# Altium PCB NEW_PCB_v2 copy_2023-02-25.pcbdoc
Units mm, origin at the board's own origin, x right, y up, seen from the top; angles counter-clockwise.
Board outline 116.48 x 114.74 mm, 2 copper layers (Top Layer, Bottom Layer); 51 components, 39 nets, 170 pads, 3 vias.
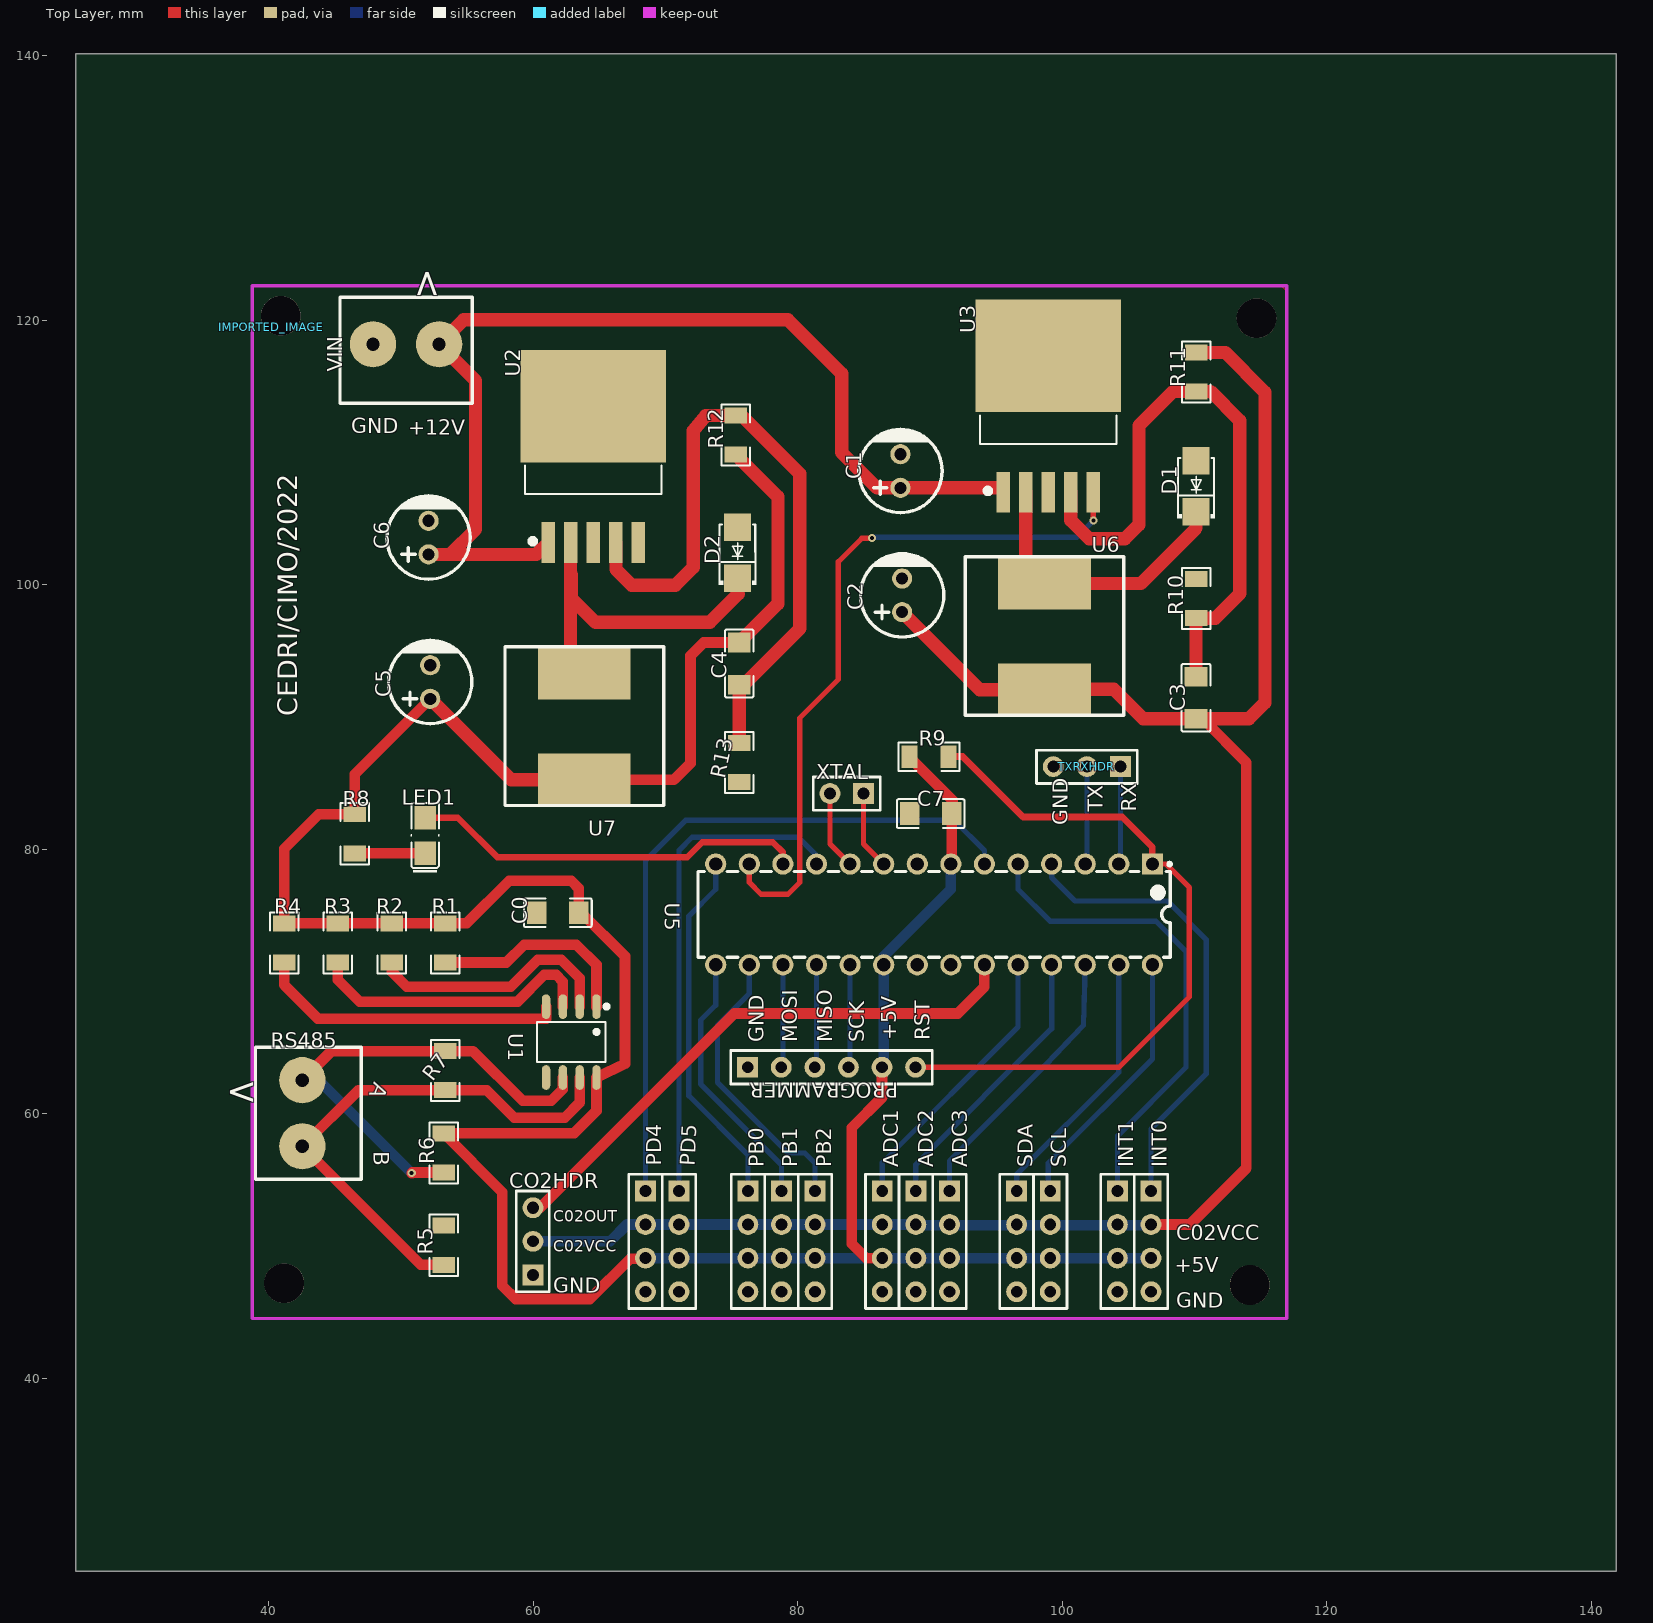
[diagram p0: Top Layer view]
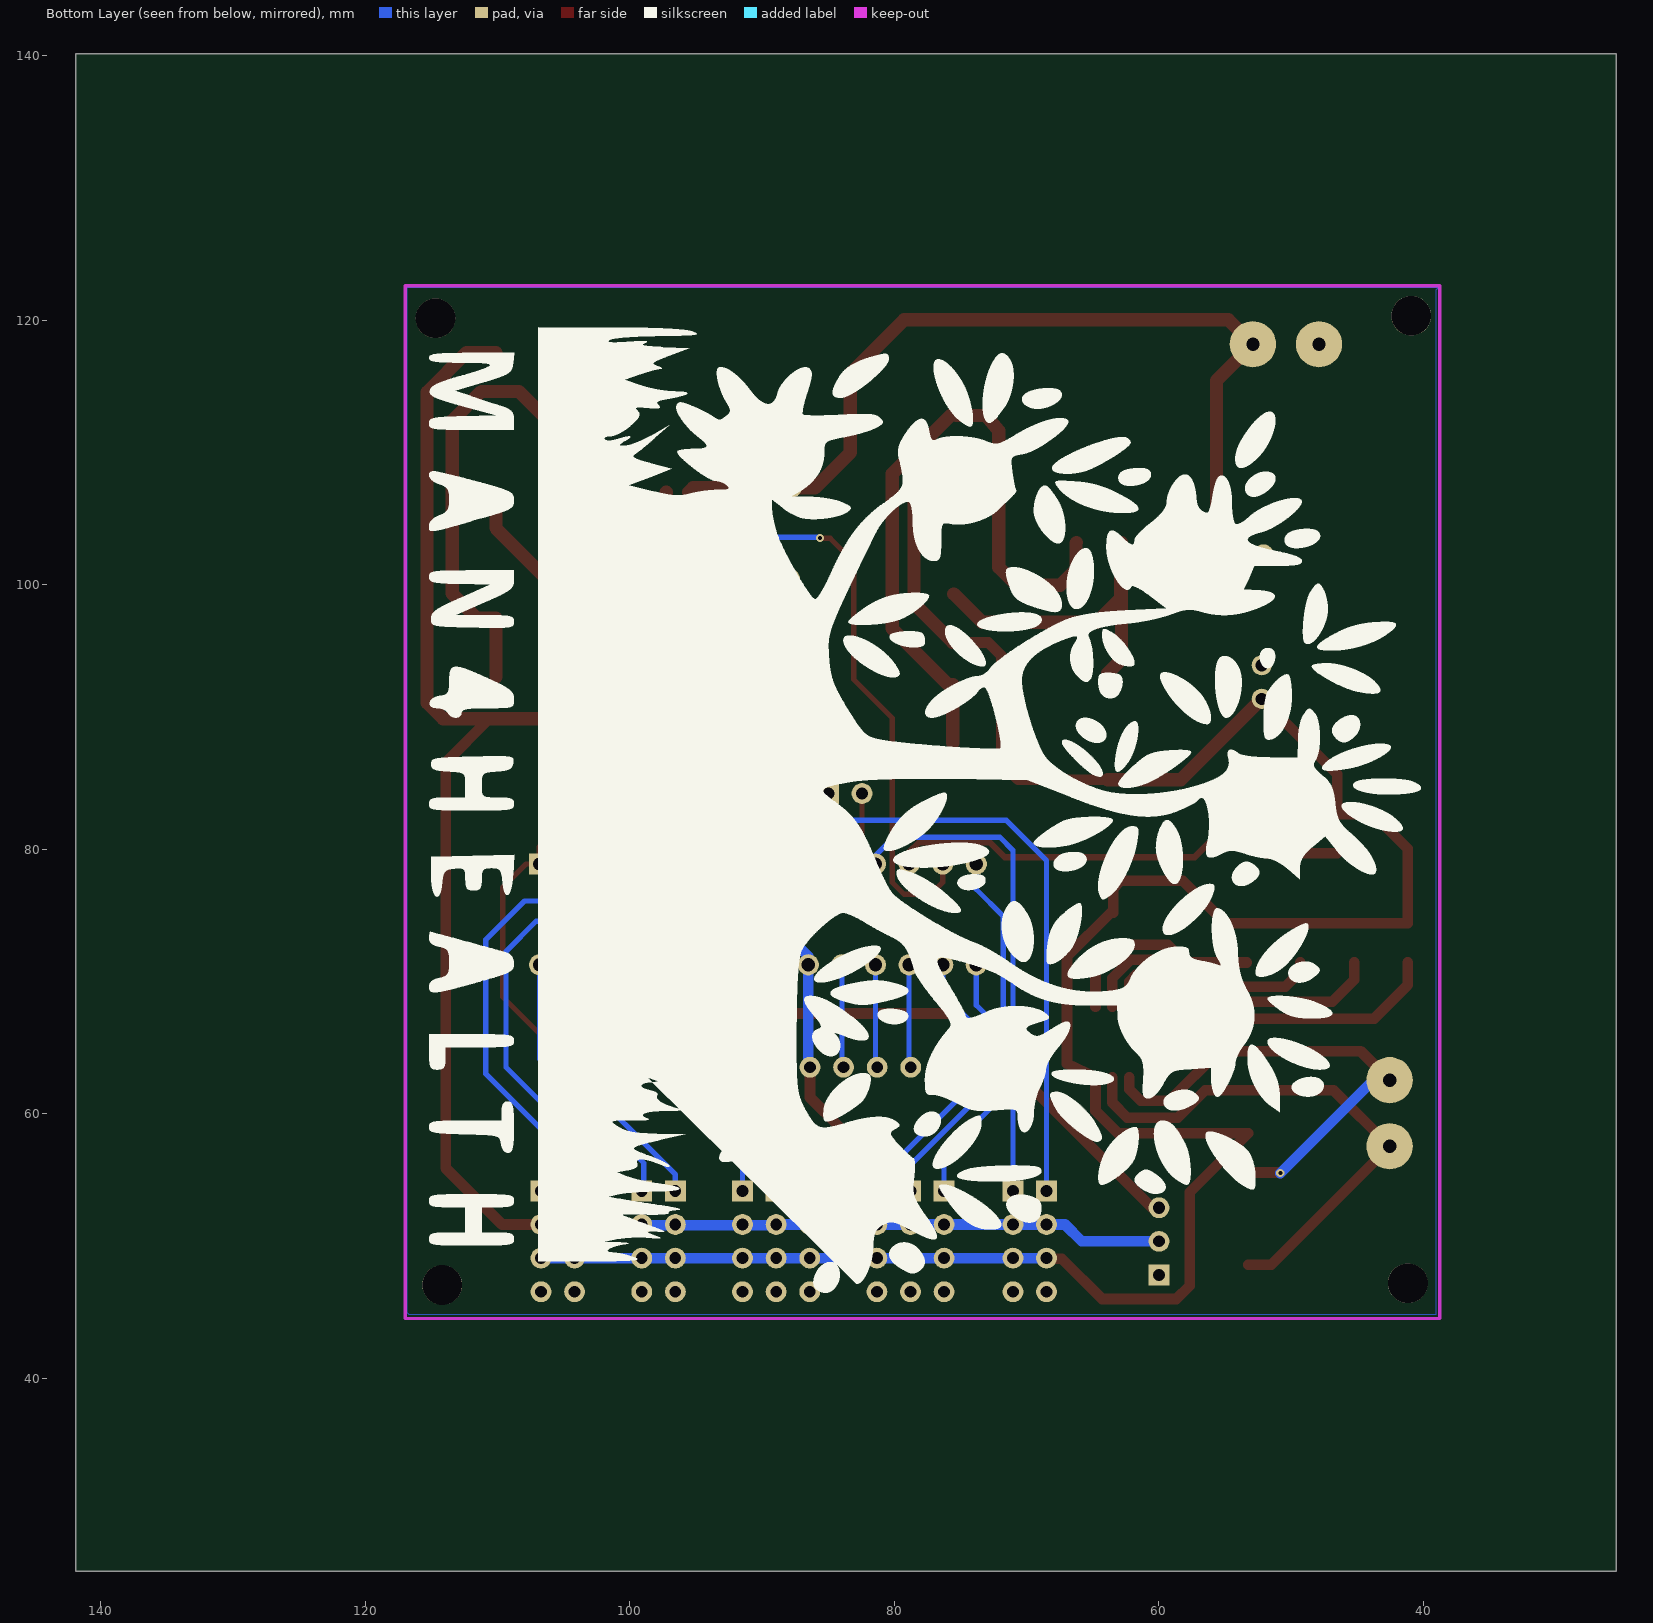
[diagram p1: Bottom Layer view, seen from below]

## Layer stack, top to bottom
Top Layer: signal copper (thickness not stored)
Dielectric: dielectric 0.32, FR-4, Dk 4.8
Bottom Layer: signal copper (thickness not stored)

## Board outline
141.876,25.4 25.4,25.4 25.4,140.136 141.876,140.136

## Components (designator, comment, footprint, x,y, rotation, side; value= is the part's Value field where it differs from the comment)
ADC1 "HDR-M-2.54_1x4" HDR-M-2.54_1X4 86.38,50.341 r270 top
ADC2 "HDR-M-2.54_1x4" HDR-M-2.54_1X4 88.92,50.341 r270 top
ADC3 "HDR-M-2.54_1x4" HDR-M-2.54_1X4 91.46,50.341 r270 top
C0 "100n" C1206 61.849,75.188 r180 top
C1 "100uF" CAP-D6.3×F2.5 87.757,108.589 r90 top
C2 "220uF" CAP-D6.3×F2.5 87.884,99.191 r90 top
C3 "5nF" C1206 110.109,91.444 r90 top
C4 "5nF" C1206 75.565,94.031 r270 top
C5 "220uF" CAP-D6.3×F2.5 52.197,92.634 r90 top
C6 "100uF" CAP-D6.3×F2.5 52.07,103.556 r90 top
C7 "100n" C1206 90.043,82.681 r0 top
CO2HDR "CO2Hdr" HDR-F-2.54_1X3 59.964,50.341 r90 top
D1 "1N5822/SMD2.8*4.5" DO-214AC_L4.3-W2.7-LS5.0-RD 110.109,107.446 r90 top
D2 "1N5822/SMD2.8*4.5" DO-214AC_L4.3-W2.7-LS5.0-RD 75.438,102.413 r90 top
IMPORTED_IMAGE "IMPORTED_IMAGE" IMPORTED_IMAGE 40.161,119.45 r0 top
INT0 "HDR-M-2.54_1x4" HDR-M-2.54_1X4 106.7,50.341 r270 top
INT1 "HDR-M-2.54_1x4" HDR-M-2.54_1X4 104.16,50.341 r270 top
LED1 "LED-TH-3mm_R" D1206-S-RD 51.816,81.03 r90 top
PB0 "HDR-M-2.54_1x4" HDR-M-2.54_1X4 76.22,50.341 r270 top
PB1 "HDR-M-2.54_1x4" HDR-M-2.54_1X4 78.76,50.341 r270 top
PB2 "HDR-M-2.54_1x4" HDR-M-2.54_1X4 81.3,50.341 r270 top
PD4 "HDR-M-2.54_1x4" HDR-M-2.54_1X4 68.473,50.341 r270 top
PD5 "HDR-M-2.54_1x4" HDR-M-2.54_1X4 71.013,50.341 r270 top
PROGRAMMER "PrgHdr" HDR-F-2.54_1X6 81.28,63.504 r0 top
R1 "10k" R1206 53.34,72.902 r90 top
R2 "10k" R1206 49.276,72.902 r90 top
R3 "10k" R1206 45.212,72.902 r90 top
R4 "10k" R1206 41.148,72.902 r90 top
R5 "20k" R1206 53.213,50.042 r270 top
R6 "20k" R1206 53.213,57.027 r90 top
R7 "1k" R1206 53.34,63.25 r270 top
R8 "330R" R1206 46.482,81.157 r270 top
R9 "10k" R1206 89.916,86.999 r0 top
R10 "1k" R1206 110.109,98.937 r90 top
R11 "3.1k" R1206 110.109,116.082 r270 top
R12 "3.1k" R1206 75.311,111.303 r90 top
R13 "1k" R1206 75.565,86.538 r270 top
RS485 "RS485" "CONETOR VERDE 2 PINOS" 46.99,65.028 r270 top
SCL "HDR-M-2.54_1x4" HDR-M-2.54_1X4 99.08,50.341 r270 top
SDA "HDR-M-2.54_1x4" HDR-M-2.54_1X4 96.54,50.341 r270 top
TXRXHDR "TxRxHdr" HDR-F-2.54_1X3 101.854,86.237 r180 top
U1 "MAX485ED" SOP-8_L4.9-W3.9-P1.27-LS6.0-BL 62.865,65.409 r180 top
U2 "LM2596S-ADJ" TO-263-5_L10.2-W8.9-P1.70-BR 64.516,108.335 r270 top
U3 "LM2596S-ADJ" TO-263-5_L10.2-W8.9-P1.70-BR 98.933,112.145 r270 top
U5 "ATMEGA328-PU" DIP-28_L35.0-W6.5-P2.54-LS7.6-BL 90.297,75.061 r180 top
U6 "47uH" SMD_INDUCTOR_BIG 104.648,90.047 r270 top
U7 "47uH" SMD_INDUCTOR_BIG 69.85,83.236 r270 top
VIN "Alimentação" "CONETOR VERDE 2 PINOS" 55.372,113.717 r180 top
XTAL "XtalHdr" HDR-F-2.54_1X2 83.693,84.205 r180 top
? "" ? 121.204,88.284 r0 top
? "" ? 77.851,41.326 r0 top

## Footprints (in the part's own frame and the unit in brackets; to place one, negate y for a bottom-side part, rotate by r counter-clockwise, add the part's x,y. Pads: shape width x height; smd on the part's side, far side on the other; paste and mask are expansions set on the pad)
C1206 [mm]
  rect 1.485x1.728 smd: 1(-1.593,0) 2(1.593,0)
  silkscreen extent -2.56,-1.09 2.56,1.09
CAP-D6.3×F2.5 [mil]
  round 60 hole 36: 1(-50,0) 2(50,0)
  silkscreen extent -124,-124 125,124
"CONETOR VERDE 2 PINOS" [mm]
  round 3.5 hole 1: 1(2.5,-4.46) 2(7.5,-4.46)
  silkscreen extent 0,-8 10,0
D1206-S-RD [mm]
  rect 1.785x1.62 smd: 1(-1.343,0) 2(1.342,0)
  silkscreen extent -2.77,-1.08 2.46,1.08
DIP-28_L35.0-W6.5-P2.54-LS7.6-BL [mm]
  rect 1.6x1.6 hole 1: 1(-16.51,-3.81)
  round 1.6 hole 1: 2(-13.97,-3.81) 3(-11.43,-3.81) 4(-8.89,-3.81) 5(-6.35,-3.81) 6(-3.81,-3.81) 7(-1.27,-3.81) 8(1.27,-3.81) 9(3.81,-3.81) 10(6.35,-3.81) 11(8.89,-3.81) 12(11.43,-3.81) 13(13.97,-3.81) 14(16.51,-3.81) 15(16.51,3.81) 16(13.97,3.81) 17(11.43,3.81) 18(8.89,3.81) 19(6.35,3.81) 20(3.81,3.81) 21(1.27,3.81) 22(-1.27,3.81) 23(-3.81,3.81) 24(-6.35,3.81) 25(-8.89,3.81) 26(-11.43,3.81) 27(-13.97,3.81) 28(-16.51,3.81)
  silkscreen extent -17.93,-3.93 17.85,3.25
DO-214AC_L4.3-W2.7-LS5.0-RD [mm]
  rect 2.07x2.06 smd: 1(-1.929,0) 2(1.929,0)
  silkscreen extent -2.43,-1.43 2.14,1.43
HDR-F-2.54_1X2 [mil]
  rect 62x62 hole 35: 1(-50,0)
  round 62 hole 35: 2(50,0)
  silkscreen extent -100,-49 100,50
HDR-F-2.54_1X3 [mil]
  rect 62x62 hole 35: 1(-100,0)
  round 62 hole 35: 2(0,0)
  round 62 hole 36: 3(100,0)
  silkscreen extent -150,-49 150,50
HDR-F-2.54_1X6 [mil]
  rect 62x62 hole 35: 1(-200,0)
  round 62 hole 35: 2(-100,0) 3(0,0) 4(100,0) 5(200,0) 6(300,0)
  silkscreen extent -250,-50 350,50
HDR-M-2.54_1X4 [mil]
  rect 62x62 hole 35: 1(-150,0)
  round 62 hole 35: 2(-50,0) 3(50,0) 4(150,0)
  silkscreen extent -200,-50 200,50
IMPORTED_IMAGE [mm]
R1206 [mm]
  rect 1.208x1.701 smd: 1(-1.479,0) 2(1.479,0)
  silkscreen extent -2.31,-1.08 2.31,1.08
SMD_INDUCTOR_BIG [mm]
  rect 4x7 smd: 1(-10.065,-6) 2(-2,-6)
  silkscreen extent -12.06,-12 -0.07,0
SOP-8_L4.9-W3.9-P1.27-LS6.0-BL [mm]
  oval 0.63x1.865 smd: 1(-1.905,-2.682) 2(-0.635,-2.682) 3(0.635,-2.682) 4(1.905,-2.682) 5(1.905,2.682) 6(0.635,2.682) 7(-0.635,2.682) 8(-1.905,2.682)
  silkscreen extent -2.82,-2.83 2.58,1.52
TO-263-5_L10.2-W8.9-P1.70-BR [mm]
  rect 3.083x1.02 smd: 1(5.16,-3.4) 2(5.16,-1.7) 3(5.16,0) 4(5.16,1.7) 5(5.16,3.4)
  rect 8.5x11 smd: 6(-5.16,0)
  silkscreen extent -0.66,-5.16 5.26,5.16
? [mm]

## Free pads (board coordinates)
  round 3 hole 3 unplated: ""(40.894,120.32) ""(41.148,47.168) ""(114.173,47.041) ""(114.681,120.146)

## Via types
v1: diameter 0.61, hole 0.305, Top Layer to Bottom Layer, tented both sides, 3 vias

## Nets (pads, with @x,y where several pads share a name; then routed paths per layer and width w, separated by ;. In a path a pad name is that pad's centre, name@x,y a point inside that pad or via, vN(x,y) a via of type N, cw(c..) or ccw(c..) an arc to the next point about the centre after c; other vN are vias at no path point)
+5V: ADC1.3 ADC2.3 ADC3.3 C0.1 C4.1 C5.1 C7.2 INT0.3 INT1.3 PB0.3 PB1.3 PB2.3 PD4.3 PD5.3 PROGRAMMER.5 R1.2 R2.2 R3.2 R4.2 R6.2 R8.1 R9.1 R12.1 SCL.3 SDA.3 U1.8 U5.7 U5.20 U7.2 | length 240.1
  Top Layer w0.8: C5.1 46.482,85.649 R8.1 43.77,82.635 41.148,80.014 R4.2 R1.2 54.946,74.38 58.166,77.601 62.865,77.601 63.442,77.024 C0.1 63.627,75.188 66.929,71.886 66.929,63.758 U1.8 ; U7.2 70.627,85.236 71.882,86.491 71.882,94.619 72.887,95.623 C4.1 ; U1.8@64.77,62.158 U1.8 ; PD4.3 68.428,49.026 67.31,49.026 64.262,45.978 58.674,45.978 57.658,46.994 57.658,54.06 53.213,58.505 63.073,58.505 64.77,60.202 U1.8 ; PROGRAMMER.5 86.36,61.218 84.074,58.932 84.074,50.169 85.171,49.071 ADC1.3 ; R9.1 88.437,86.953 91.694,83.697 91.636,83.638 C7.2 91.636,78.939 U5.7
  Top Layer w1: C5.1 58.325,85.236 U7.2 ; R12.1 78.486,106.649 78.486,98.544 C4.1
  Bottom Layer w0.8: PD4.3 PD5.3 ; PD5.3@70.378,49.071 INT0.3 ; PROGRAMMER.5 86.487,63.631 U5.20 86.487,71.886 91.567,76.966 U5.7
+12V: C1.1 C6.1 U2.1 U3.1 VIN.1 | length 83.6
  Top Layer w1: 54.481,102.286 C6.1 ; U2.1 60.227,102.286 C6.1 ; U3.1 95.199,107.319 C1.1 85.979,107.319 83.312,109.986 83.312,115.955 79.248,120.019 54.715,120.019 VIN.1 55.626,115.422 55.626,104.191 53.721,102.286 C6.1
A: R6.1 R7.1 RS485.1 U1.6 | length 37
  Top Layer w0.8: RS485.1 44.731,64.728 R7.1 55.418,64.728 59.182,60.964 61.341,60.964 62.23,61.853 U1.6 ; v1(50.8,55.503) 50.845,55.548 R6.1
  Bottom Layer w0.8: RS485.1 43.775,62.528 v1(50.8,55.503)
ADC1: ADC1.1 U5.24 | length 21.4
  Bottom Layer w0.4: ADC1.1 86.38,56.285 96.647,66.552 U5.24
ADC2: ADC2.1 U5.25 | length 21.4
  Bottom Layer w0.4: ADC2.1 88.92,56.158 99.187,66.425 U5.25
ADC3: ADC3.1 U5.26 | length 21.3
  Bottom Layer w0.4: ADC3.1 91.46,56.412 98.679,63.631 101.6,66.679 U5.26
B: R5.2 R7.2 RS485.2 U1.7 | length 40.3
  Top Layer w0.8: R5.2 51.495,48.563 RS485.2 46.773,61.771 R7.2 56.469,61.771 58.547,59.694 62.357,59.694 63.5,60.837 U1.7
CO2OUT: CO2HDR.3 U5.23 | length 42.7
  Top Layer w0.8: CO2HDR.3 60.498,52.881 75.184,67.568 92.075,67.568 94.107,69.6 U5.23
CO2VCC: ADC1.2 ADC2.2 ADC3.2 C2.1 C3.1 CO2HDR.2 INT0.2 INT1.2 PB0.2 PB1.2 PB2.2 PD4.2 PD5.2 R11.1 SCL.2 SDA.2 U6.2 | length 155.4
  Top Layer w0.8: INT0.2 109.647,51.611 113.919,55.884 113.919,86.539 110.607,89.851 C3.1@110.109,89.851
  Top Layer w1: C2.1 93.758,92.047 U6.2 98.68,92.079 103.886,92.079 106.114,89.851 C3.1 114.104,89.851 115.316,91.063 115.316,114.558 112.314,117.56 R11.1@110.109,117.56
  Bottom Layer w0.4: ADC2.2@88.285,51.611 ADC3.2@90.825,51.611
  Bottom Layer w0.8: CO2HDR.2 65.806,50.341 67.076,51.611 70.378,51.611 72.918,51.611 78.125,51.611 80.665,51.611 83.205,51.611 ADC2.2@88.285,51.611 ; ADC2.2@88.773,51.566 INT0.2@106.68,51.566
DE: R3.1 U1.3 | length 22
  Top Layer w0.8: R3.1 45.212,70.108 46.863,68.457 58.801,68.457 60.833,70.489 61.722,70.489 62.23,69.981 U1.3@62.23,68.091
DI: R4.1 U1.4 | length 23.5
  Top Layer w0.8: R4.1 41.148,69.727 43.688,67.187 60.96,67.187 U1.4@60.96,68.091
FBK1: C3.2 R10.1 R11.2 U3.4 | length 47
  Top Layer w1: U3.4 100.632,104.856 102.029,103.462 104.727,103.462 105.791,104.526 105.791,112.019 108.377,114.602 R11.2 111.207,114.603 113.411,112.399 113.411,99.318 111.551,97.458 R10.1 C3.2
FBK2: C4.2 R12.2 R13.1 U2.4 | length 51.4
  Top Layer w1: U2.4 66.246,103.145 66.246,101.144 67.437,99.953 70.739,99.953 72.088,101.301 72.088,111.637 73.025,112.78 R12.2 ; R13.1 C4.2 ; R12.2@75.692,112.827 80.137,108.382 80.137,96.674 C4.2@75.946,92.483
GND: ADC1.4 ADC2.4 ADC3.4 C0.2 C1.2 C2.2 C5.2 C6.2 C7.1 CO2HDR.1 D1.2 D2.2 INT0.4 INT1.4 PB0.4 PB1.4 PB2.4 PD4.4 PD5.4 PROGRAMMER.1 R5.1 R10.2 R13.2 SCL.4 SDA.4 TXRXHDR.3 U1.5 U2.3 U2.5 U2.6 U3.3 U3.6 U5.8 U5.22 VIN.2
INT0: INT0.1 U5.4 | length 35.4
  Bottom Layer w0.4: U5.4 99.187,77.855 100.965,76.077 107.95,76.077 110.871,73.156 110.871,62.996 106.7,58.825 INT0.1
INT1: INT1.1 U5.5 | length 36.8
  Bottom Layer w0.4: U5.5 96.647,76.966 99.06,74.553 107.061,74.553 109.347,72.267 109.347,63.504 104.16,58.317 INT1.1
LED: LED1.2 U5.12 | length 30
  Top Layer w0.5: LED1.2 54.284,82.372 57.277,79.379 71.628,79.379 72.771,80.522 78.105,80.522 78.867,79.76 U5.12
LED1_1: LED1.1 R8.2 | length 5.3
  Top Layer w0.8: R8.2 LED1.1@51.816,79.686
MISO_B: PROGRAMMER.3 U5.18 | length 7.8
  Bottom Layer w0.4: PROGRAMMER.3 81.407,63.631 U5.18
MOSI_B: PROGRAMMER.2 U5.17 | length 7.8
  Bottom Layer w0.4: PROGRAMMER.2 78.867,63.631 U5.17
PB0: PB0.1 U5.14 | length 27.4
  Bottom Layer w0.4: U5.14 73.787,76.966 71.755,74.934 71.755,61.345 76.22,56.879 PB0.1
PB1: PB1.1 U5.15 | length 20.1
  Bottom Layer w0.4: U5.15 73.787,68.203 72.644,67.06 72.644,62.234 78.76,56.117 PB1.1
PB2: PB2.1 U5.16 | length 21.9
  Bottom Layer w0.4: U5.16 76.327,69.092 73.914,66.679 73.914,62.361 79.248,57.027 80.518,57.027 81.3,56.244 PB2.1
PD4: PD4.1 U5.6 | length 53.8
  Bottom Layer w0.4: PD4.1 68.473,79.145 71.501,82.173 91.821,82.173 94.107,79.887 U5.6
PD5: PD5.1 U5.11 | length 37.8
  Bottom Layer w0.4: PD5.1 71.013,79.907 72.009,80.903 80.01,80.903 81.407,79.506 U5.11
PSE: U3.5 U5.13 | length 54.1
  Top Layer w0.4: U5.13 76.327,77.474 77.216,76.585 79.248,76.585 80.137,77.474 80.137,89.92 83.058,92.841 83.058,101.731 84.836,103.509 v1(85.598,103.509) ; U3.5 102.333,104.888 v1(102.362,104.859)
  Bottom Layer w0.4: v1@85.598,103.589 101.092,103.589 v1(102.362,104.859)
RE: R2.1 U1.2 | length 18.9
  Top Layer w0.8: R2.1 49.276,70.743 50.419,69.6 58.293,69.6 60.325,71.632 62.103,71.632 63.5,70.235 U1.2@63.5,68.091
RO: R1.1 U1.1 | length 15.8
  Top Layer w0.8: R1.1 57.957,71.423 59.309,72.775 63.246,72.775 64.77,71.251 U1.1
RST: PROGRAMMER.6 R9.2 U5.1 | length 54.2
  Top Layer w0.4: PROGRAMMER.6 104.267,63.504 109.601,68.838 109.601,77.093 107.823,78.871 U5.1
  Top Layer w0.5: R9.2 92.456,86.999 97.028,82.427 104.521,82.427 106.807,80.141 U5.1
RX: TXRXHDR.1 U5.2 | length 7.4
  Bottom Layer w0.4: U5.2 104.394,78.998 TXRXHDR.1
SCK_B: PROGRAMMER.4 U5.19 | length 7.8
  Bottom Layer w0.4: PROGRAMMER.4 83.947,63.631 U5.19
SCL: SCL.1 U5.28 | length 20.5
  Bottom Layer w0.4: SCL.1 98.933,54.151 98.933,56.265 106.807,64.139 U5.28
SDA: SDA.1 U5.27 | length 20.3
  Bottom Layer w0.4: SDA.1 96.54,55.396 104.267,63.123 U5.27
TX: TXRXHDR.2 U5.3 | length 7.4
  Bottom Layer w0.4: U5.3 101.854,78.998 TXRXHDR.2
U5_21: U5.21
VCCOUT1: D1.1 U3.2 U6.1 | length 21.9
  Top Layer w1: U3.2 97.233,101.527 U6.1 98.68,100.08 105.918,100.08 110.109,104.271 D1.1
VCCOUT2: D2.1 U2.2 U7.1 | length 26.3
  Top Layer w1: U2.2 62.816,94.335 U7.1 ; 62.865,100.762 62.865,98.984 64.691,97.158 73.35,97.158 75.486,99.294
XTL1: U5.9 XTAL.1 | length 6
  Top Layer w0.4: XTAL.1 84.963,80.395 U5.9
XTL2: U5.10 XTAL.2 | length 6
  Top Layer w0.4: XTAL.2 82.423,80.395 U5.10

## Polygon pours and split planes (outlines as drawn)
GND on Top Layer (solid): 38.862,44.581 38.862,122.432 38.735,122.559 116.586,122.559 116.84,122.305 116.84,44.708 116.967,44.581 38.862,44.581
GND on Bottom Layer (solid): 38.989,44.835 38.989,122.305 38.862,122.432 116.84,122.432 116.84,44.962 116.713,44.835 38.989,44.835

## Silkscreen, mask and mechanical layers (free items; w line width, h text height)
Top Overlay:
  text "GND" at 46.228,111.446 h1.14
  text "+12V" at 50.546,111.319 h1.14
  text "CEDRI/CIMO/2022" at 42.152,90.047 h1.5 r90
  text "TX" at 103.06,82.808 h1.14 r90
  text "RX" at 105.6,82.808 h1.14 r90
  text "GND" at 100.393,81.792 h1.14 r90
  text "+5V" at 87.439,65.536 h1.14 r90
  text "RST" at 89.98,65.536 h1.14 r90
  text "GND" at 77.406,65.409 h1.14 r90
  text "MOSI" at 79.947,65.409 h1.14 r90
  text "MISO" at 82.614,65.409 h1.14 r90
  text "SCK" at 85.026,65.409 h1.14 r90
  text "A" at 47.954,62.449 h1.2 r249
  text "B" at 47.914,57.154 h1.2 r270
  text "C02OUT" at 61.488,51.821 h0.85
  text "C02VCC" at 108.605,50.405 h1.14
  text "C02VCC" at 61.488,49.535 h0.85
  text "+5V" at 108.478,47.992 h1.14
  text "GND" at 61.488,46.468 h1.14
  text "GND" at 108.605,45.325 h1.14

## Text inside footprints (layer, text, board x,y; h text height)
RS485: Top Overlay ">" at 39.116,62.488 h2.03 r180
VIN: Top Overlay ">" at 52.832,121.591 h2.03 r90